# Allegro board trx_layout.brd (continued)
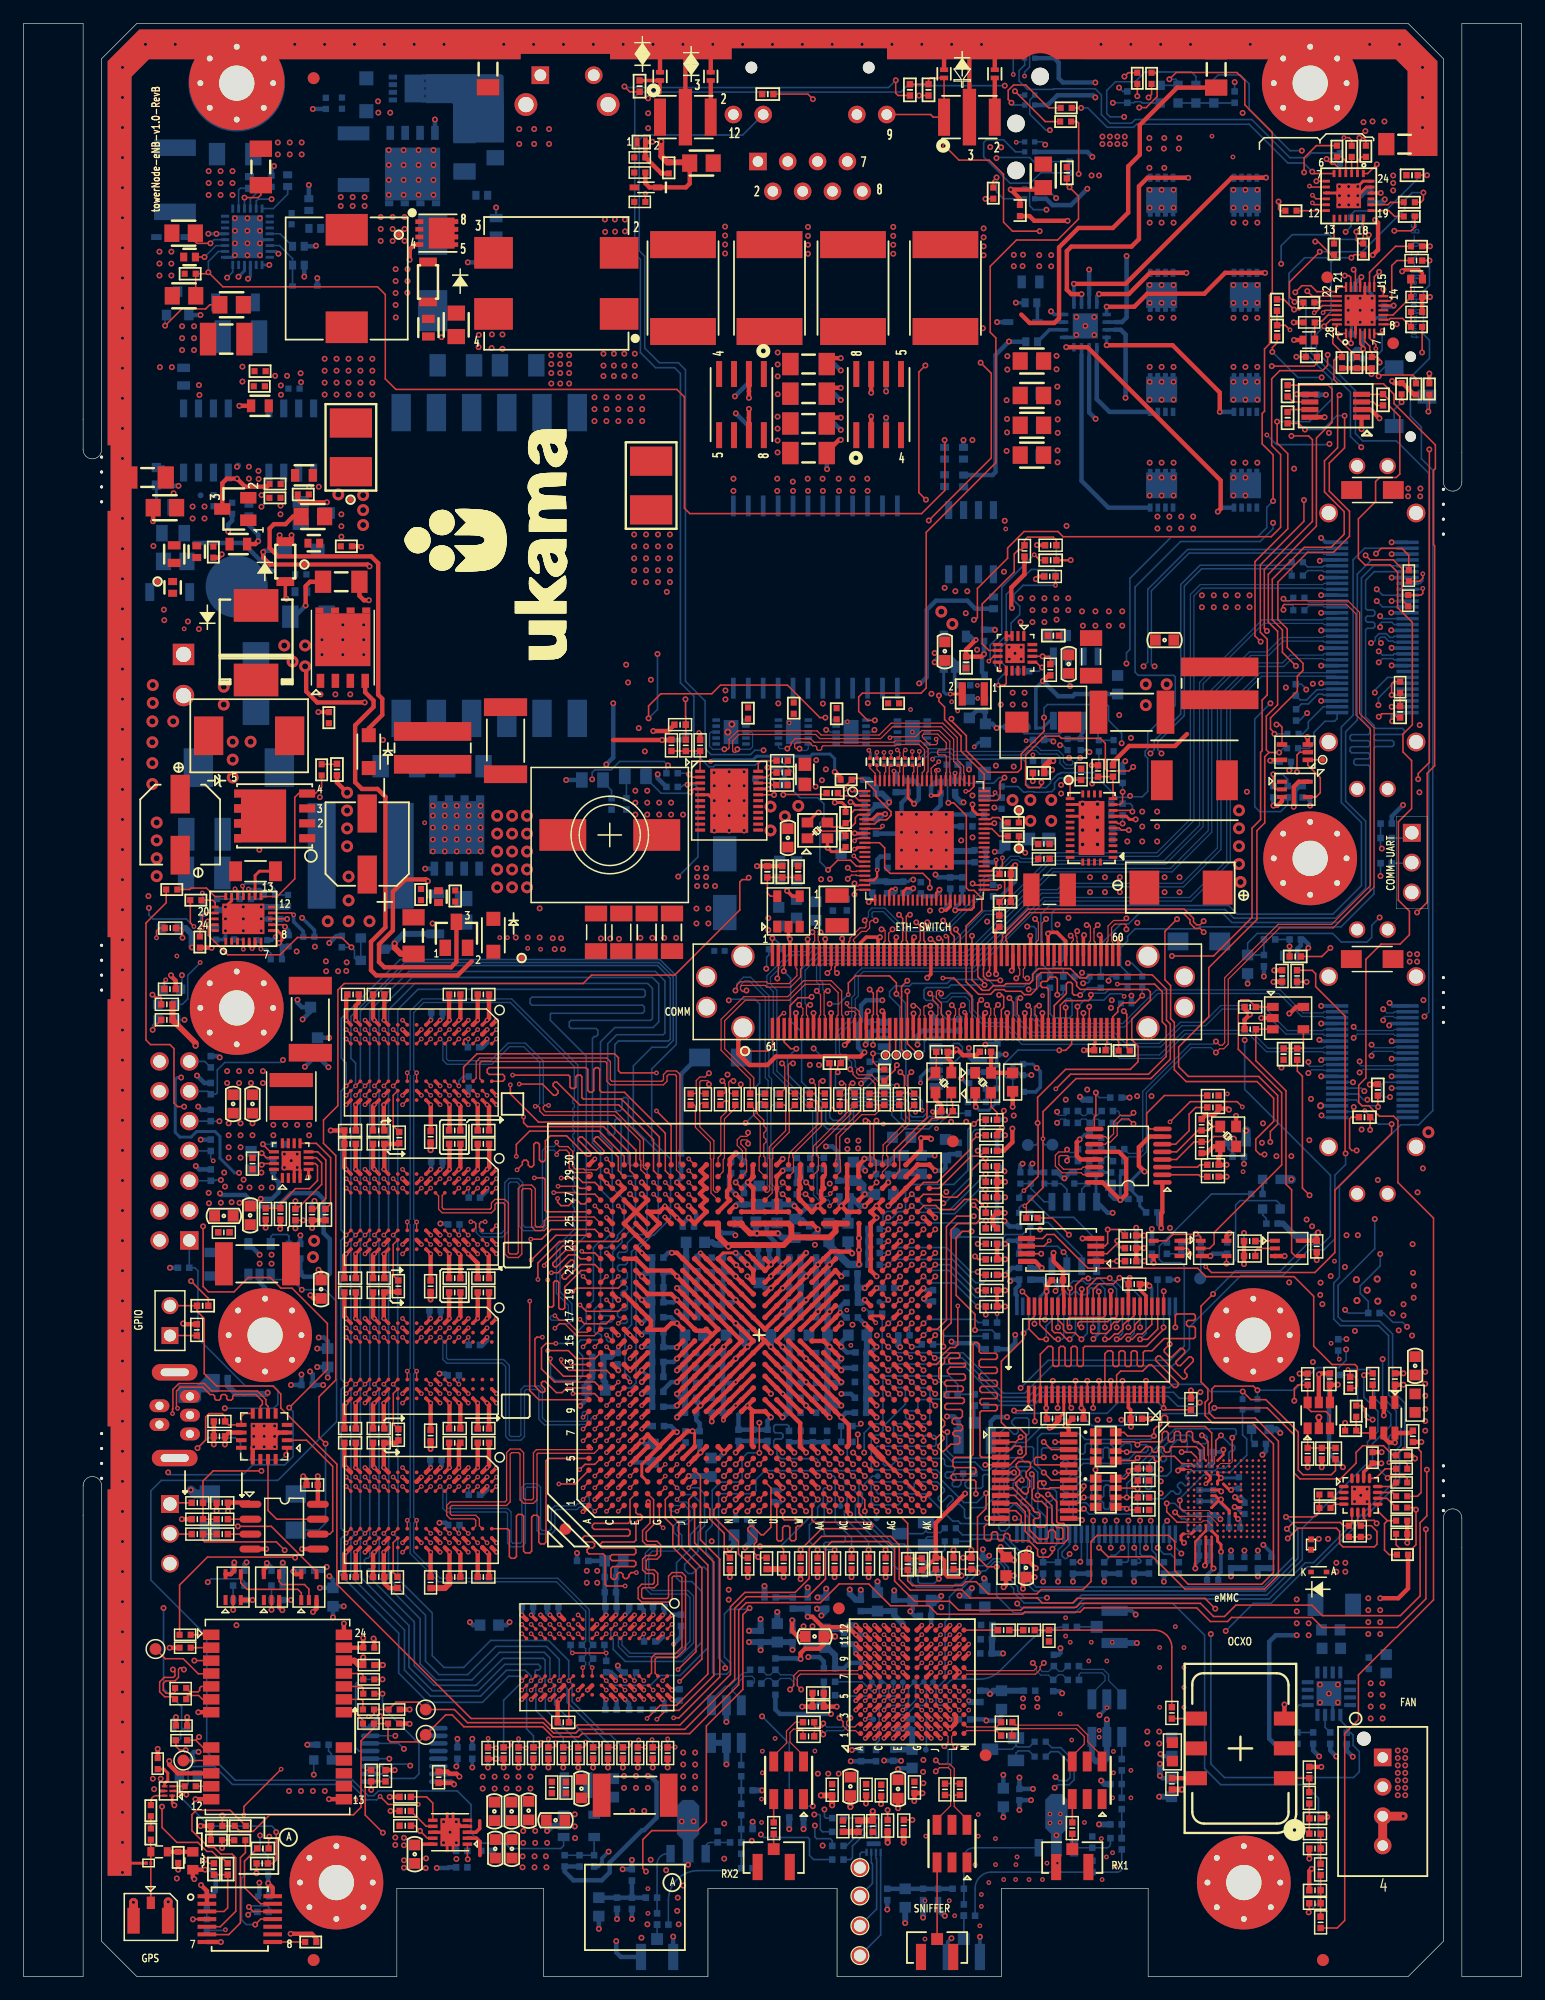
[diagram p0: board, top side]
## Copper pours and planes (outline as drawn; the poured copper is in the pictures) (continued)
3V3 on BOTTOM: 80.9,110.98 79.82,110.98 79.82,112.16 77.66,112.16 77.66,116.47 80.9,116.47 ; 1 cut-out
3V3 on BOTTOM: 49.09,14.22 47.06,14.22 46.68,13.84 46.68,11.68 46.93,11.43 47.95,11.43 47.95,12.83 48.33,13.21 49.09,13.21
3V3 on L3-SIGNAL: 90.72,106.1 90.51,106.3 90.51,116.54 90.51,116.54 90.51,116.64 83.57,116.64 83.34,116.41 80.31,116.41 79.91,116.01 79.91,114.32 79.24,113.64 77.73,113.64 77.32,114.05 77.32,120.07 77.53,120.28 83.28,120.28 83.34,120.34 83.34,122.74 83.7,123.1 90.52,123.1 90.68,123.25 107.27,123.25 107.27,129.29 107.6,129.62 107.6,153.74 120.12,153.74 120.12,111.49 116.97,108.33 104.88,108.33 102.64,106.1 ; 6 cut-outs
3V3 on L3-SIGNAL: 26.79,20.92 26.79,28.84 26.37,29.26 20.07,29.26 19.79,29.54 19.79,36.07 20.14,36.42 25.51,36.42 25.63,36.3 25.63,34.16 29.78,30.01 32.85,30.01 33.43,29.43 33.43,20.92
3V3 on L4-PWR1: 10.18,1.27 7.92,3.53 7.92,89.48 7.95,89.48 7.95,92.33 7.98,92.35 28.78,92.35 28.78,104.02 73.1,104.02 73.1,102.79 73.5,102.79 73.5,104.02 77.55,104.02 77.55,105.82 84.76,105.82 84.76,101.96 82.92,101.96 82.92,96.24 83.55,95.61 90.55,95.61 90.55,106.06 90.62,106.06 95.42,110.86 107.89,110.86 107.89,107.81 108.46,107.81 108.46,99.03 107.94,99.03 107.94,83.03 119.66,83.03 119.68,83.01 119.68,32.82 119.72,32.82 119.72,30.48 119.68,30.48 119.68,3.53 117.43,1.27 97.07,1.27 97.07,8.77 82.03,8.77 82.03,1.27 70.57,1.27 70.57,8.77 57.03,8.77 57.03,1.27 45.57,1.27 45.57,8.77 30.53,8.77 30.53,1.27 ; 6 cut-outs
3V3 on L5-PWR2: 8.03,42.11 13.19,42.11 13.19,40.89 29.06,40.89 29.06,23.19 49.71,23.19 49.71,12.92 49.78,12.92 50.36,12.35 59.4,12.35 59.45,12.39 60.86,12.39 61.52,11.73 61.52,8.68 60.91,8.07 57.67,8.07 57.67,6.92 57.54,6.78 57.54,2.92 57.56,2.89 57.56,1.06 57.24,0.73 45.29,0.73 44.94,1.09 44.94,8.04 44.91,8.07 31.32,8.07 30.76,7.52 30.76,1.25 30.45,0.94 9.85,0.94 8.03,2.76
5V on TOP: 22.68,68.39 22.68,66.96 22.53,66.81 17.23,66.81 16.85,67.19 16.85,69.03 19.82,69.03 20.02,68.83 21.73,68.83 21.73,68.51 21.86,68.39
5V on TOP: 93.49,162.43 90.42,162.43 90.05,162.05 90.05,151.76 90.52,151.29 93.55,151.29 94.13,151.87 94.13,161.78
5V on TOP: 97.53,114.56 95.18,116.91 89.64,116.91 89.25,116.52 89.25,115.23 89.1,115.08 87.78,115.08 87.53,114.83 87.53,112.79 85.44,112.79 85.44,113.54 85.32,113.67 84.81,113.67 84.61,113.67 84.54,113.75 84.54,119.36 85.14,119.96 86.94,119.96 88.07,121.09 88.07,120.9 88.58,120.9 88.58,121.54 88.52,121.54 89.37,122.39 104.06,122.39 104.06,122.39 104.93,122.39 105.21,122.11 105.21,110.69 98.55,110.69 98.55,111.7 97.53,111.7
5V on TOP: 61.8,100.22 61.8,97.03 66.58,97.03 66.58,100.22 64.53,100.22 64.38,100.37 64.38,100.85 64.29,100.94 63.75,100.94 63.73,100.95 63.73,101.28 63.6,101.42 62.13,101.42 61.81,101.1 61.81,100.22
5V on BOTTOM: 58.71,96.94 61.68,96.94 62.15,97.41 62.15,101.33 62.32,101.51 63.67,101.51 63.76,101.41 63.76,100.37 63.91,100.21 67.84,100.21 67.84,95.2 66.72,94.08 58.71,94.08
5V on BOTTOM: 16.9,66.94 20.57,66.94 20.57,68.76 20.31,69.02 18.78,69.02 18.52,68.76 16.9,68.76 16.9,68.21 16.92,68.19 17.2,68.19 17.23,68.16 17.23,67.59 17.12,67.48 16.91,67.48 16.9,67.47
5V on BOTTOM: 84.57,113.69 87.77,113.69 87.77,114.76 88.01,115 89.38,115 89.38,117.9 84.57,117.9
5V on L4-PWR1: 10.64,92.94 27.52,92.94 28.3,93.71 28.3,103.3 29.24,104.25 62.06,104.25 62.26,104.05 62.26,97.29 62.85,96.7 66.43,96.7 66.8,97.07 66.8,104.1 67.31,104.61 80.24,104.61 80.67,105.05 80.67,110.29 80.46,110.51 58.08,110.51 58.13,110.56 58.13,125.61 58.08,125.66 50.17,125.66 50.17,110.51 50.14,110.51 50.14,109.2 30.38,109.2 30.36,109.22 30.36,114.07 30.17,114.26 10.86,114.26 10.26,113.67 10.26,93.32
5V on L5-PWR2: 24.77,49.89 24.36,50.29 24.36,51.8 24.7,51.8 24.7,54.79 8.41,54.79 8.41,119.26 30.73,119.26 30.73,109.21 49.21,109.21 49.21,112.88 76.77,112.88 76.77,120.13 120.35,120.13 120.35,100.84 107.59,100.84 107.59,86.97 87.91,86.97 87.91,103.06 67.97,103.06 67.97,92.25 68,92.25 68.61,91.64 71.02,91.64 71.42,91.24 71.42,88.51 71.37,88.46 71.37,87.07 72.47,85.98 72.47,83.89 72.46,83.88 72.46,73.73 74.98,71.21 103.78,71.21 104.25,70.74 104.25,67.24 103.74,66.73 90.05,66.73 89.05,65.73 89.05,46.38 88.74,46.07 75.06,46.07 74.84,46.3 74.84,64.63 72.67,66.79 65.77,66.79 65.34,67.22 65.34,73.85 64.91,74.29 62.11,74.29 61.38,75.01 61.38,78.43 59.67,80.14 59.67,81.56 59.71,81.6 59.71,92.3 51.59,92.3 51.59,86.97 35.71,86.97 35.71,83.41 35.2,82.91 28.98,82.91 28.91,82.83 28.91,69.62 28.93,69.6 28.93,50.39 28.42,49.89 ; 1 cut-out
5V on L6-SIGNAL: 104.95,116.23 92.4,116.23 90.22,114.05 90.22,112.78 90.09,112.65 83.29,112.65 83.02,112.93 83.02,119.53 84.37,120.88 88.05,120.88 89.7,122.53 89.7,124.57 88.74,125.53 88.74,154.36 91.85,157.47 100.42,157.47 104.07,153.82 104.07,124.4 104.95,123.52
AVDD_1V5 on TOP: 66,102.14 68.3,102.14 68.3,101 67.89,101 67.89,100.84 66,100.84
AVDD_1V5 on BOTTOM: 70.87,103.56 65.9,103.56 65.9,99.89 68.06,99.89 68.06,99.67 68.32,99.41 71.93,99.41 72.04,99.52 72.04,102.39
AVDD_1V5 on L5-PWR2: 68.64,102.85 68.64,92.23 81.51,92.23 81.51,96.06 78.16,96.06 78.16,97.21 78.21,97.21 78.21,100.57 78.31,100.57 79.63,101.9 79.63,102.85
AVDD_3V3 on BOTTOM: 82.42,98.61 82.92,99.11 82.92,99.11 83.28,99.47 86.29,99.47 86.29,95.86 84.54,95.86 84.54,95.88 84.32,95.88 82.93,94.49 81.74,94.49 81.59,94.64 81.59,96.09 81.12,96.56 81.12,96.58 80.64,96.58 80.45,96.77 80.45,98.13 80.45,98.13 80.57,98.26 81.77,98.26 81.77,98.25 82.31,98.25 82.42,98.36
AVDD_3V3 on L4-PWR1: 70.15,90.57 70.47,90.25 81.39,90.25 83.73,92.59 83.73,98.49 83.03,99.2 81.69,99.2 81.41,99.48 81.41,99.99 81.03,100.37 81.03,102.53 80.56,103.01 73.88,103.01 73.5,102.63 73.5,100.46 72.02,98.97 71.13,98.97 70.15,98
GND on BOTTOM (solid shape): 57.07,9.7 56.16,9.7 56.16,11.62 57.08,11.62
GND on BOTTOM (solid shape): 88.45,10.21 87.53,10.21 87.53,12.13 88.45,12.13
GND on BOTTOM (solid shape): 57.57,14.54 57.57,12.11 57.07,11.62 56.16,11.62 55.66,12.11 55.66,14.54 56.16,15.04 57.07,15.04
GND on BOTTOM (solid shape): 88.94,15.05 88.94,12.62 88.45,12.13 87.53,12.13 87.04,12.62 87.04,15.05 87.53,15.54 88.45,15.54
GND on TOP: 59.29,8.21 59.29,30.17 71.43,30.17 71.43,18.04 71.22,17.83 67.8,17.83 66.89,16.92 66.89,8.21 64.82,8.21 64.82,10.45 64.62,10.45 64.62,8.21 63.22,8.21 63.22,10.44 62.96,10.44 62.96,8.21 ; 4 cut-outs
GND on TOP: 25.88,101.08 25.88,96.75 25.88,96.75 25.88,96.13 26.31,95.7 30.22,95.7 30.22,100.44 29.58,101.08
GND on TOP: 70.04,0.65 70.04,7.9 69.87,8.07 67.44,8.07 67.24,8.27 67.24,13.89 68.33,13.89 68.33,15.49 67.6,15.49 67.9,15.8 77.22,15.8 77.22,19.68 75.71,19.68 75.71,31.65 97.33,31.65 99.13,30.9 99.88,29.11 99.88,23.27 99.62,23.01 96.47,23.01 94.47,23.01 93.53,22.07 93.53,8.17 90.25,8.17 90.25,10.39 89.94,10.39 89.94,8.17 88.76,8.17 88.76,10.35 88.4,10.35 88.4,8.17 82.73,8.17 82.73,0.65 78.77,0.65 78.77,3.96 78.19,3.96 78.19,0.65 77.45,0.65 77.45,3.95 76.88,3.95 76.88,0.65 ; 8 cut-outs
GND on TOP: 64.92,105.21 66.24,105.21 66.24,107.75 64.92,107.75
GND on TOP: 24.69,111.28 24.69,108.65 28.54,108.65 28.54,111.28
GND on TOP: 8.72,3.63 8.72,7.34 9.78,8.4 9.78,15.79 10.08,16.09 14.03,16.09 14.03,3.63 11.97,3.63 11.97,5.87 9.96,5.87 9.96,3.63 ; 1 cut-out
GND on TOP: 70.93,104.98 70.93,107.34 69.18,107.34 69.18,104.98
GND on TOP: 39.65,13.82 39.65,11.07 45.01,11.07 45.01,14.64 48.02,14.64 48.02,15.87 44.3,15.87 44.3,13.82
GND on TOP: 118.01,54.86 118.01,52.32 119.06,52.32 119.06,54.86
GND on TOP: 51.46,126.26 51.46,118.25 55.58,118.25 55.58,126.26
GND on TOP: 96.65,112.09 87.93,112.09 87.93,114.63 87.98,114.69 89.38,114.69 89.63,114.94 89.63,116.34 89.8,116.51 94.87,116.51 96.95,114.43 96.95,112.39
GND on TOP: 84.33,115.06 84.33,113.39 85.24,113.39 85.24,111.82 83.72,111.82 83.72,113.28 82.45,113.28 82.45,115.06
GND on TOP: 109.68,25.53 109.68,22.61 112.75,22.61 112.75,25.53
GND on TOP: 16.84,74.04 16.84,69.47 19.99,69.47 19.99,74.04
GND on TOP: 56.52,86.11 44.88,86.11 44.7,86.28 44.7,88.62 44.86,88.77 56.03,88.77 57,89.74 57,95.78 58.4,97.17 58.4,102.87 58.44,102.92 58.44,104.47 60.24,106.28 65.78,106.28 65.78,101.26 65.6,101.07 64.84,101.07 64.75,101.16 64.75,102.93 64.75,102.94 64.75,103.16 64.57,103.34 62.06,103.34 61.63,102.9 61.61,102.9 61.61,96.66 66.58,96.66 66.66,96.58 66.66,94.52 66.34,94.2 65.45,94.2 65.26,94.39 65.26,95.09 65.2,95.15 60.73,95.15 60.6,95.03 60.6,90.19
GND on TOP: 112.23,125.73 112.23,129.59 116.9,129.59 116.9,127.91 114.07,127.91 114.07,125.73
GND on TOP: 11.39,128.82 11.39,126.03 13.81,126.03 13.81,126.73 19.5,126.73 19.5,128.82
GND on TOP: 95.3,88.9 94.92,89.28 94.92,90.42 94.31,91.03 87.51,91.03 87.1,91.45 87.1,96.83 89.97,96.83 89.97,101.25 92,101.25 92,94.36 99.36,94.36 99.87,93.85 99.87,89.03 99.75,88.9 ; 2 cut-outs
GND on TOP: 18.36,63.26 18.36,65.11 19.79,65.11 19.79,66.43 17.33,66.43 17.33,63.09 18.19,63.09
GND on TOP: 38.39,161.57 38.39,155.77 45.05,155.77 45.05,162.64 43.43,162.64 43.43,162.22 43.17,162.22 43.17,161.57
GND on TOP: 9.84,98.95 9.84,93.45 14.22,93.45 14.22,98.95
GND on TOP: 76.94,112.88 76.94,111.27 78.97,111.27 78.97,112.88
GND on TOP: 12.02,110.57 17.53,110.57 17.53,107.81 10.41,107.81 10.14,108.08 10.14,114.23 10.88,114.97 12.31,114.97 15.45,118.11 21.72,118.11 21.72,115.44 21.59,115.32 16,115.32 16,115.32 14.8,114.11 12.82,114.11 11.9,113.19 11.9,110.69
GND on TOP: 79.1,106.68 79.13,106.71 79.13,107.42 78.92,107.64 77.29,107.64 76.03,108.89 74.53,108.89 74.32,108.69 74.32,107.38 75.03,106.68
GND on TOP: 114.94,155.85 113,155.85 113,158.36 116.83,158.36 117,158.19 117,154.76 116.89,154.66 115.23,154.66 114.94,154.94
GND on TOP: 35.53,13.9 35.53,10.58 35.21,10.26 31.04,10.26 30.84,10.06 30.84,8.94 30.94,8.84 36.88,8.84 37.15,9.11 37.15,13.9 37.04,14.01 35.64,14.01
GND on TOP: 59.69,105.23 61.09,105.23 61.09,106.62 62.15,106.62 62.15,107.39 59.69,107.39
GND on TOP: 101.52,74.41 101.52,75.83 101.41,75.94 98.75,75.93 98.05,76.63 98.05,77.82 101.01,80.78 101.01,88.08 103.51,90.58 111.56,90.58 112.59,91.61 112.59,104.58 112.63,104.55 112.63,112.06 112.6,112.06 111.94,112.73 106.17,112.73 105.97,112.93 105.97,119.57 117.1,119.57 118.37,118.3 118.37,93.96 117.27,92.86 117.27,91.69 117.63,91.34 117.63,88.8 117.12,88.29 115.09,88.29 114.18,87.38 114.18,83.57 109.86,79.26 109.86,74.41 ; 12 cut-outs
GND on BOTTOM: 93.37,67.98 93.37,70.79 93.37,70.79 94.57,71.98 94.57,76.27 98.44,80.14 102.39,80.14 102.39,78.44 101.93,77.98 100.26,77.98 96.42,74.14 96.42,68.95 95.45,67.98 ; 2 cut-outs
GND on BOTTOM: 65.89,46.23 65.89,53.9 66.22,54.23 66.22,55.32 65.86,55.68 65.86,61.77 65.96,61.87 67.73,61.87 67.87,61.72 67.87,55.73 67.52,55.37 67.52,54.2 67.82,53.9 67.82,47.04 67.95,46.91 68.71,46.91 68.76,46.86 68.76,46.2 68.68,46.13 65.99,46.13
GND on BOTTOM: 94.29,110.28 94.29,117.9 89.76,117.9 89.76,114.94 89.51,114.69 88.3,114.69 88.3,113.6 88.08,113.38 87.37,113.38 87.21,113.22 87.21,112.12 89.05,110.28
GND on BOTTOM: 66.34,93.88 66.34,92.87 65.2,92.87 65.28,92.79 65.28,90.97 65.53,90.71 68.28,90.71 68.28,90.72 68.65,91.09 70.7,91.09 70.99,90.8 70.99,89.12 70.41,88.54 56.76,88.54 55.58,87.35 44.94,87.35 44.67,87.62 44.67,88.97 38.63,88.97 38.63,92.51 38.2,92.94 35.94,92.94 35.94,95 39.54,95 39.54,92.39 40.57,91.36 55.84,91.36 55.89,91.42 55.89,92.87 56.91,93.88
GND on BOTTOM: 23.11,83.31 23.11,80.92 24.96,80.92 24.96,83.31
GND on BOTTOM: 18.87,47.68 18.87,44.45 21.92,44.45 21.92,47.68
GND on BOTTOM: 81.71,120.19 81.71,117.19 79.08,117.19 79.08,118.25 81.03,118.25 81.03,120.19
GND on BOTTOM: 102.92,89.15 102.92,84.96 102.29,84.33 98.35,84.33 97.97,84.71 97.97,85.85 98.22,86.11 100.51,86.11 100.89,86.49 100.89,88.9 101.14,89.15
GND on BOTTOM: 70.51,53.42 70.51,47.68 71.07,47.68 71.07,53.42
GND on BOTTOM: 49.73,15.75 49.73,13.21 53.28,13.21 53.41,13.34 53.41,15.24 53.19,15.46 50.84,15.46 50.73,15.56 50.73,15.74 50.72,15.75
GND on BOTTOM: 59.08,87.86 59.08,77.49 56.46,77.49 56.46,87.86
GND on BOTTOM: 72.37,101.27 72.37,96.9 71.61,96.14 69.14,96.14 68.63,96.65 68.38,96.65 68.12,96.39 68.12,95.12 68.88,94.36 71.17,94.36 71.42,94.61 72.37,94.61 72.37,92.89 80.53,92.89 80.53,101.27
GND on BOTTOM: 15.73,91.65 15.73,87.16 22.97,87.16 22.97,91.65
GND on BOTTOM: 10.35,118.71 10.35,114.22 15.31,114.22 15.31,116.78 12.73,116.78 12.73,118.71
GND on BOTTOM: 39.65,13.82 39.65,11.85 40.38,11.13 44.86,11.13 45.01,11.28 45.01,12.73 43.84,12.73 43.61,12.96 43.61,13.81 43.6,13.82
GND on BOTTOM: 83.66,113.39 83.66,111.89 85.24,111.89 85.24,113.39
GND on BOTTOM: 57.13,61.77 57.13,55.85 58.85,55.85 58.85,61.77
GND on BOTTOM: 103.2,33.13 109.62,26.72 109.62,17.47 109.62,20.2 109.6,20.23 109.56,20.25 109.38,20.25 109.34,20.26 109.33,20.3 109.33,20.41 109.31,20.44 109.28,20.46 109.1,20.46 109.06,20.44 109.05,20.41 109.05,19.33 109.03,19.3 109,19.28 108.01,19.28 107.98,19.31 107.98,19.32 107.97,19.36 107.93,19.37 106.39,19.37 106.37,19.38 106.35,19.39 105.69,20.05 105.68,20.06 105.68,20.08 105.68,28.66 105.68,28.68 105.69,28.7 106.48,29.49 106.49,29.5 106.51,29.5 106.72,29.5 106.75,29.52 106.75,29.53 106.76,29.56 106.75,29.59 105.18,31.15 105.15,31.16 105.11,31.15 103.08,29.12 103.06,29.1 103.04,29.1 102.67,29.1 102.64,29.09 102,29.42 102.64,29.75 102.67,29.75 102.77,29.75 102.79,29.75 102.81,29.76 104.65,31.61 104.67,31.64 104.66,31.68 104.53,31.8 104.51,31.81 104.49,31.82 101.84,31.82 101.81,31.81 101.79,31.78 101.75,31.68 101.76,31.65 101.78,31.64 101.52,30.91 101.27,31.64 101.28,31.65 101.29,31.68 101.26,31.78 101.24,31.81 101.21,31.82 98.41,31.82 98.39,31.8 98.38,31.79 98.38,31.76 98.39,31.73 100.64,29.48 100.65,29.47 100.66,29.45 100.66,29.3 100.67,29.27 100.71,29.25 100.73,29.25 100.75,29.27 100.76,29.29 101.33,29.52 101.47,28.92 101.47,28.9 101.47,18.26 101.47,18.24 101.48,18.22 102.23,17.47 101.32,17.47 100.84,17.95 100.82,17.97 100.82,17.99 100.82,28.9 100.78,28.98 100.75,29.05 100.73,29.07 100.71,29.07 100.67,29.05 100.66,29.02 100.66,17.47 100.07,17.47 100.07,11.82 98.92,10.08 98.5,8.04 82.77,8.04 81.96,7.23 81.96,2.82 81.96,2.78 81.96,0.74 81.82,0.59 81.03,0.59 81.03,2.8 80.76,2.8 80.76,0.59 79.5,0.59 79.5,0.65 79.55,0.65 79.55,2.77 79.18,2.77 79.18,2.75 79.17,2.75 79.17,0.59 71.79,0.59 70.57,1.81 70.57,7.39 72.09,7.39 72.09,10.08 71.66,10.08 71.66,12.27 67.76,12.27 67.76,10.87 67.75,10.9 67.67,11.08 67.69,11.28 67.69,11.29 67.69,11.31 67.63,11.39 67.62,11.41 67.59,11.41 67.45,11.41 67.43,11.42 67.42,11.43 67.36,11.49 67.33,11.5 67.31,11.49 67.29,11.47 67.28,11.44 67.28,10.33 67.29,10.29 67.33,10.28 67.71,10.28 67.75,10.29 67.76,10.33 67.76,9.4 70.11,9.4 70.11,8.38 58.07,8.38 56.84,7.15 56.84,0.67 56.72,0.55 54.9,0.55 54.9,2.73 54.52,2.73 54.52,0.55 53.33,0.55 53.33,2.64 53.06,2.64 53.06,0.55 46.12,0.55 45.99,0.68 45.99,7.83 46.79,8.64 47.9,8.64 47.9,8.88 47.03,8.88 47.95,9.79 48.12,9.79 48.12,9.88 48.03,9.88 51.12,12.97 53.12,12.97 55.3,15.15 55.36,15.15 55.72,15.51 55.72,25.15 57.54,26.97 57.54,31.05 59.64,33.15 61.2,33.15 61.22,33.13 ; 76 cut-outs
GND on BOTTOM: 20.94,106.32 20.94,110.05 20.94,110.05 20.94,110.61 10.35,110.61 10.35,108.01 10.58,107.78 11.36,107.78 11.36,107.78 14.89,107.78 14.89,106.32
GND on BOTTOM: 116.94,108.74 116.94,107.44 118.9,107.44 118.9,108.74
GND on BOTTOM: 18.77,63.25 18.77,66.2 17.48,66.2 17.48,64.03 17.25,63.8 17.25,63.07 18.14,63.07 18.32,63.25
GND on BOTTOM: 56.09,46.13 56.09,46.99 56.16,47.07 56.95,47.07 57.08,47.19 57.08,53.75 57.41,54.08 57.41,55.09 57.53,55.22 60.23,55.22 60.33,55.12 60.33,54.15 60.23,54.05 59.06,54.05 58.88,53.87 58.88,46.25 58.75,46.13
GND on BOTTOM: 116.94,32.87 117.1,32.71 117.1,27.03 116.94,26.87 111.87,26.87 111.66,27.08 111.66,32.79 111.74,32.87
GND on BOTTOM: 10.4,98.66 10.4,92.55 15.26,92.55 15.26,98.66
GND on BOTTOM: 17.23,74.04 17.23,69.47 19.89,69.47 19.89,74.04
GND on BOTTOM: 35.15,13.79 35.15,10.34 37.16,10.34 37.16,13.79
GND on BOTTOM: 58.57,103.02 58.57,97.31 61.67,97.31 61.67,103.02
GND on BOTTOM: 17.13,128.82 17.13,127.21 19.51,127.21 19.51,128.82
GND on BOTTOM: 89.92,100.2 89.92,96.06 91.85,96.06 91.85,98.58 92.96,98.58 92.96,100.2
GND on L2-GND1: 69.96,0.52 69.96,8.13 57.69,8.13 57.69,1.27 45.17,1.27 45.17,8.15 31.14,8.15 31.14,0.71 9.97,0.71 7.92,2.75 7.92,128.83 30.11,128.83 30.11,108.9 49.5,108.9 49.5,123.42 55.55,123.42 55.55,110.83 76.44,110.83 76.44,120.79 83.19,120.79 83.19,120.35 83.36,120.35 83.36,120.82 83.31,120.82 83.31,125.55 87.96,125.55 88.42,126.01 88.42,156.56 58.12,156.56 58.12,154.76 57.96,154.61 57.69,154.61 57.68,154.6 41.53,154.6 41.53,162.3 43.38,162.3 43.38,162.71 63.43,162.71 63.43,163.27 119.48,163.27 119.68,163.07 119.68,153.97 119.94,153.97 120.19,153.72 120.19,4.03 116.77,0.61 97.07,0.61 97.07,8.11 82.03,8.11 82.03,0.52 ; 2 cut-outs
GND on L7-GND2: 45.57,0.61 45.57,8.77 30.53,8.77 30.53,1.27 10.18,1.27 7.92,3.53 7.92,125.09 30.11,125.09 30.11,108.9 51.52,108.9 51.52,135.72 58,135.72 58,110.69 76.72,110.69 76.72,125.25 78.16,125.25 78.16,120.3 83.37,120.3 83.37,120.6 119.68,120.6 119.68,3.53 117.43,1.27 97.07,1.27 97.07,8.07 82.58,8.07 82.58,0.53 70.57,0.53 70.57,8.06 57.7,8.06 57.7,0.61 ; 2 cut-outs
GND_POWER on TOP: 35.23,142.98 35.23,140.79 33.08,140.79 33.08,138.32 38.38,138.32 38.38,142.87 38.48,142.96 41.7,142.96 41.75,142.91 41.75,135.9 31.27,135.9 31.27,145.69 33.09,145.69 33.09,142.98
GND_POWER on TOP: 48.32,131.85 51.26,131.85 51.26,127.74 55.37,127.74 55.37,134.92 48.32,134.92
GND_POWER on TOP: 19.18,154.61 24.1,154.61 24.1,156.46 19.38,156.46 19.18,156.26
GND_POWER on TOP: 16.46,140.82 16.46,138 13.16,138 13.16,140.82
GND_POWER on TOP: 34.28,153.67 35.78,153.67 35.78,151.97 35.78,151.97 35.78,150.45 26.47,150.45 26.47,160.15 34.28,160.15
GND_POWER on TOP: 17.55,150.22 17.55,146.15 20.61,146.15 20.61,150.22
GND_POWER on TOP: 11.33,149.25 11.33,142.34 13.61,142.34 13.61,144.14 13.64,144.17 13.95,144.17 13.95,147.42 13.61,147.42 13.61,149.25
GND_POWER on BOTTOM: 26.78,153.16 26.78,150.46 29.57,150.46 29.57,153.16
GND_POWER on BOTTOM: 17.68,143.34 15.78,143.34 15.78,140.74 13.13,140.74 13.13,138.18 17.68,138.18
GND_POWER on BOTTOM: 15.38,132.76 15.38,135.75 14.65,135.75 14.65,134.67 14.44,134.67 14.44,132.76
GND_POWER on BOTTOM: 31.37,145.77 31.37,140.1 36.12,140.1 36.12,145.77
GND_POWER on BOTTOM: 79.68,131.03 79.68,129.95 79.74,129.89 80.52,129.89 80.57,129.94 80.57,130.3 80.7,130.43 81.05,130.43 81.11,130.49 81.11,131.03 81,131.14 79.8,131.14
GND_POWER on BOTTOM: 10.72,148.39 10.72,144.55 12.93,144.55 12.93,147.27 11.84,147.27 11.84,148.39
GND_POWER on BOTTOM: 31.85,161.16 31.85,158.21 26.86,158.21 26.86,159.31 28.09,159.31 28.09,159.92 30.96,159.92 30.96,161.16
GND_POWER on BOTTOM: 18.82,156.44 18.82,153.16 20.32,153.16 20.32,154.56 22.07,154.56 22.07,153.04 24.07,153.04 24.07,156.44
GND_POWER on BOTTOM: 23.28,134.82 24.28,134.82 24.28,136.77 23.28,136.77
GND_POWER on BOTTOM: 46.28,134.77 46.28,131.6 53.09,131.6 53.09,134.77
GND_POWER on L2-GND1: 30.27,131.24 53.01,131.24 53.01,135.11 41.01,135.11 41.01,151.31 36.55,151.31 36.55,160.77 23.85,160.77 23.85,156.87 11.15,156.87 11.15,133.27 30.27,133.27
GND_POWER on L3-SIGNAL: 30.27,131.24 53.01,131.24 53.01,135.11 41.15,135.11 41.15,151.31 36.55,151.31 36.55,160.77 23.85,160.77 23.85,156.87 11.15,156.87 11.15,128.96 30.27,128.96 ; 2 cut-outs
GND_POWER on L4-PWR1: 30.75,131.24 78.64,131.24 79.41,130.47 81.11,130.47 81.32,130.67 81.32,132.81 79.02,135.11 37.35,135.11 37.35,160.77 23.85,160.77 23.85,156.45 11.27,156.45 11.27,132.56 30.75,132.56
GND_POWER on L5-PWR2: 11.15,128.96 11.15,156.87 23.85,156.87 23.85,160.77 36.55,160.77 36.55,151.31 40.83,151.31 40.83,134.8 53.01,134.8 53.01,131.24 30.27,131.24 30.27,128.96 25.62,128.96 25.62,132.68 20.03,132.68 20.03,128.96 18.11,128.96 18.11,132.45 18.14,132.45 18.14,132.74 18.11,132.74 18.11,132.91 12.63,132.91 12.63,128.96
GND_POWER on L6-SIGNAL: 11.15,128.96 11.15,156.87 23.85,156.87 23.85,160.77 36.55,160.77 36.55,151.31 40.64,151.31 40.64,135.16 41.15,135.16 41.15,135.11 53.01,135.11 53.01,131.24 30.27,131.24 30.27,128.96 ; 4 cut-outs
GND_POWER on L7-GND2: 30.27,131.24 53.01,131.24 53.01,135.11 40.45,135.11 40.45,151.31 36.55,151.31 36.55,160.77 23.85,160.77 23.85,156.87 11.15,156.87 11.15,128.96 30.27,128.96 ; 2 cut-outs
V1P8_S on TOP: 91.19,83.12 91.19,79.84 91.3,79.73 91.78,79.73 91.89,79.84 91.89,81.85 91.93,81.89 92.6,81.89 92.94,82.23 92.94,83.39 92.84,83.48 91.56,83.48
V1P8_S on BOTTOM: 91.34,83.16 91.34,82.07 91.47,81.94 93.2,81.94 93.25,81.99 93.25,82.52 93.32,82.6 93.73,82.6 93.73,83.21 93.6,83.34 91.52,83.34
V1P8_S on L5-PWR2: 104.03,71.69 104.98,70.74 104.98,67.34 103.71,66.07 90.66,66.07 89.15,64.56 89.15,60.83 90.21,59.77 118.19,59.77 119.65,61.23 119.65,100.23 109.59,100.23 109.59,85.98 87.73,85.98 87.73,89.08 84,89.08 84,86.26 73.2,86.26 72.76,85.83 72.76,73.08 74.16,71.69
V3P3 on BOTTOM: 59.5,85.84 59.54,85.8 62.23,85.8 62.28,85.85 62.28,87.78 62.18,87.88 59.52,87.88 59.5,87.86
V3P3_A on BOTTOM: 60,81.84 60,77.44 62.38,77.44 62.38,81.84
VCC on BOTTOM: 17.5,148.77 15.58,148.77 15.58,154.05 15.38,154.25 10.92,154.25 10.92,156.46 17.95,156.46 17.95,150.21 17.5,150.21
VCC on BOTTOM: 21.67,135.65 21.67,132.66 22.51,132.66 22.51,134.25 22.84,134.25 22.84,135.65
VCC on L3-SIGNAL: 15.36,154.61 24.31,154.61 24.31,134.14 19.63,134.14 19.63,150.65 15.36,150.65
VDD_CORE on BOTTOM: 71.93,97.92 71.42,97.92 71.42,99.1 68.42,99.1 68.42,97.12 69.14,96.39 71.68,96.39 72.19,96.9 72.19,97.66
VDD_CORE on BOTTOM: 82.4,101.32 80.78,101.32 80.59,101.14 80.59,99.56 80.65,99.5 81.26,99.5 81.28,99.51 81.44,99.35 81.44,98.58 82.42,98.58 82.42,101.3
VDD_CORE on L5-PWR2: 78.79,100.88 78.79,96.95 81.53,96.95 81.53,91.9 71.6,91.9 71.59,91.89 71.59,90.99 71.59,90.99 71.59,87.19 71.85,86.94 72.96,86.94 72.97,86.96 87.73,86.96 87.73,102.82 82.26,102.82 82.22,102.85 80.77,102.85
VDD_CORE on L6-SIGNAL: 67.93,91.02 72.88,91.02 72.88,97.65 67.93,97.65
VDDA_1V3_BB on BOTTOM: 84.64,24.79 84.64,22.76 84.69,22.71 85.5,22.71 85.55,22.76 85.55,24.79
VDDA_1V3_BB on L6-SIGNAL: 85.6,24.61 85.35,24.87 82.12,24.87 81.18,23.93 79.48,23.93 79.23,23.67 78.72,23.67 78.54,23.5 78.54,22.3 78.77,22.07 78.77,21.78 79.78,20.76 84.9,20.76 85.57,21.43 85.57,21.62 85.55,21.64 85.55,22.15 85.6,22.2
VDDA_1V3_RX_SYNTH on TOP: 72.75,17.24 72.75,16 73.71,16 73.86,16.15 76.86,16.15 77.02,16.31 77.02,18.39 77.02,18.39 77.02,18.9 76.91,19 75.9,19 75.8,18.9 75.8,17.95 75.08,17.24
VDDA_1V3_RX_SYNTH on L6-SIGNAL: 75.75,16.15 75.75,21.92 75.92,22.1 78.57,22.1 78.66,22.01 78.66,19.9 78.57,19.81 77.83,19.81 77.63,19.61 77.63,16.18 77.5,16.05 75.85,16.05
VDDA_1V3_RX_TX on TOP: 72.05,16.12 72.19,16.26 72.19,17.37 71.99,17.58 67.63,17.58 67.55,17.49 67.55,16.28 67.71,16.12
VDDA_1V3_RX_TX on L6-SIGNAL: 67.35,16.81 67.25,16.91 67.25,19.99 72.02,19.99 72.02,22.22 72.05,22.25 74.78,22.25 74.88,22.15 74.88,17.07 74.63,16.81
VDDA_1V3_TX_LO on L4-PWR1: 61.54,28.6 61.54,24.84 61.91,24.47 73.43,24.47 73.75,24.79 73.75,28.53 73.53,28.74 61.68,28.74
VDDA_1V3_TX_SYNTH on L3-SIGNAL: 78.65,22.23 86.14,22.23 86.37,22 86.37,15.62 86.24,15.49 78.75,15.49 78.32,15.92 78.32,21.89
VIN on TOP: 17.99,143.23 17.99,137.97 25.35,137.97 25.35,131 30.11,131 30.11,143.23
VIN on BOTTOM: 19.29,144.04 19.7,144.45 19.7,146.08 19.95,146.08 19.95,145.15 19.98,145.12 21.87,145.12 22.28,145.12 22.36,145.04 22.36,143.5 22.47,143.39 30.99,143.39 30.99,139.83 36.12,139.83 36.12,131.57 33.93,131.57 33.91,131.6 33.91,135 30.59,135 30.59,134.35 25.3,134.35 25.3,136.56 24.61,137.24 19.53,137.24 19.29,137.49
1P5 on TOP: 67.65,93.8 67.65,91.36 70.36,91.36 70.36,92.8 70.37,92.8 70.37,93.05 69.79,93.05 69.79,93.8
1P5 on TOP: 65.98,102.51 68.63,102.51 68.63,103.71 68.52,103.82 66.01,103.82 65.98,103.79
1P5 on BOTTOM: 65.4,91 68.18,91 68.18,91.07 68.55,91.43 70.94,91.43 70.94,91.44 71.33,91.82 71.33,94.1 71.12,94.31 67.24,94.31 67.03,94.1 67.03,92.26 65.4,92.26
1P5 on L4-PWR1: 67.19,104.19 72.93,104.19 73.27,103.85 73.27,100.58 71.82,99.13 71.83,99.13 69.91,97.21 69.91,93.1 69.88,93.08 61.96,93.08 61.68,93.35 61.68,95.54 62.67,96.53 66.64,96.53 67.12,97.01 67.12,104.12
4G_IN_12V on TOP: 26.11,128.72 26.11,125.9 26.56,125.46 27.84,125.46 27.84,122.58 29.71,122.58 29.71,129.41 26.1,129.41 26.1,128.72
4G_IN_12V on TOP: 22.79,127.25 23.56,127.25 23.56,128.46 19.72,128.46 19.72,127.25 20.44,127.25 20.44,127.76 22.79,127.76
4G_IN_12V on TOP: 12.38,115.53 12.38,116.92 12.54,117.08 13.27,117.08 13.52,117.34 13.52,118.03 10.98,118.03 10.98,115.28 11.01,115.24 12.09,115.24
4G_IN_12V on TOP: 12.32,125.81 12.32,123.84 15.7,123.84 15.7,125.81
4G_IN_12V on TOP: 17.06,107.61 10.34,107.61 10.34,98.95 14.24,98.95 14.24,104 17.06,104
4G_IN_12V on BOTTOM: 16.47,123.9 16.47,125.47 14.42,125.47 14.42,125.82 12.25,125.82 12.25,123.9
4G_IN_12V on BOTTOM: 16.2,92.56 16.2,98.96 10.35,98.96 10.35,107.37 13.63,107.37 13.63,106.16 12.83,106.16 12.83,100.75 26.71,100.75 26.71,90.6 24.17,90.6 24.17,92.62 17.66,92.62 17.66,92.56
4G_IN_12V on BOTTOM: 27.95,122.79 27.95,125.37 26.29,125.37 26.29,127.25 30.39,127.25 30.39,122.79
4G_IN_12V on L3-SIGNAL: 10.46,95.84 10.46,128.81 30.13,128.81 30.13,101.17 20.85,101.17 19.93,100.25 19.93,96.43 19.34,95.84
4G_IN_12V on L6-SIGNAL: 10.22,96.88 10.22,128.93 29.77,128.93 29.77,109.91 29.84,109.91 29.84,110.46 29.83,110.46 29.83,110.65 29.93,110.65 29.93,96.88 ; 3 cut-outs
7130_SYS_PLL_VDD33 on BOTTOM: 75.09,71.88 75.09,70.69 75.09,70.68 79.91,70.68 79.94,70.71 79.94,71.83 79.89,71.88
7130_VDD on TOP: 47.32,94.01 46.98,94.35 43.69,94.35 43.48,94.57 43.48,103.57 42.9,104.14 31.52,104.14 31.52,102.26 33.19,100.58 39.29,100.58 39.89,99.99 39.89,92.25 41.04,91.1 41.04,90 41.75,89.29 46.83,89.29 47.32,89.79
7130_VDD on BOTTOM: 55.58,91.63 55.58,98.05 55.36,98.27 49.82,98.27 49.55,98.53 49.55,99.24 49.31,99.48 40.04,99.48 39.71,99.16 39.71,92.68 40.76,91.63
7130_VDD on L4-PWR1: 38.4,99.37 38.4,83.06 38.91,82.55 41.71,82.55 42.6,81.66 42.6,70.74 44.75,68.58 57.2,68.58 57.71,68.07 57.71,63.5 57.33,63.12 54.53,63.12 54.15,62.74 54.15,47.24 61.46,47.24 62.1,46.6 62.1,42.25 63.16,41.2 69.78,41.2 70.28,41.7 70.28,68.83 69.14,69.98 69.14,82.17 67.95,83.36 54.93,83.36 53.64,84.64 53.64,99.37
7130_VDD on L5-PWR2: 51.72,99.31 36.12,99.31 36.12,46.09 74.23,46.09 74.23,64.64 72.36,66.51 64.95,66.51 64.95,74.16 51.72,74.16
7130_VREFCA on BOTTOM: 47.68,35.99 49.85,35.99 49.92,35.92 49.92,30.64 49.85,30.57 49,30.57 48.92,30.65 48.92,32.43 48.84,32.51 47.75,32.51 47.68,32.59
7130_VREFCA on L5-PWR2: 29.5,82.21 35.76,82.21 35.76,45.59 49.96,45.59 49.96,23.98 29.5,23.98
7130_VTT on TOP: 37.54,17.15 37.8,17.41 43.79,17.41 43.89,17.31 43.89,14.55 43.71,14.38 39.42,14.38 39.17,14.12 39.17,13.21 39.07,13.11 37.54,13.11
7130_VTT on BOTTOM: 38.71,17.13 38.71,14.5 38.82,14.39 43.65,14.39 43.72,14.47 43.72,17.19 43.64,17.27 38.85,17.27
7130_VTT on L4-PWR1: 36.41,20.88 36.41,14.77 57.83,14.77 57.83,20.88
AD936X_1V3 on BOTTOM: 111.13,32.62 111.13,25.4 110.14,25.4 109.9,25.16 109.9,23.63 109.85,23.58 108.01,23.58 108.01,32.62
AD936X_1V3 on BOTTOM: 85.85,24.74 85.85,22.76 86.81,22.76 86.81,24.74
AD936X_1V3 on L5-PWR2: 62.18,13.87 62.18,28.31 61.59,28.9 61.59,29.63 61.9,29.93 62.18,29.93 62.18,30.2 61.57,30.81 61.57,31.65 61.82,31.9 62.11,31.9 62.18,31.97 62.18,36.07 87.59,36.07 87.59,33.4 111.14,33.4 111.14,33.38 118.89,33.38 119.69,32.58 119.69,4.16 117.13,1.6 97.49,1.6 97.49,8.34 82.46,8.34 82.29,8.17 82.29,1.11 82.05,0.86 70.87,0.86 70.19,1.54 70.19,8.28 70.13,8.34 62.1,8.34 62.1,13.78
AD936X_1V8 on L4-PWR1: 81,37.31 81,29.39 77.04,29.39 76.96,29.46 76.96,31.34 76.15,32.16 64.52,32.16 64.52,32.16 61.7,32.16 61.42,32.44 61.42,37.16 61.57,37.31